# Altium PCB GPS_Traking_V1_1.PcbDoc (part 1 of 2) (continued)
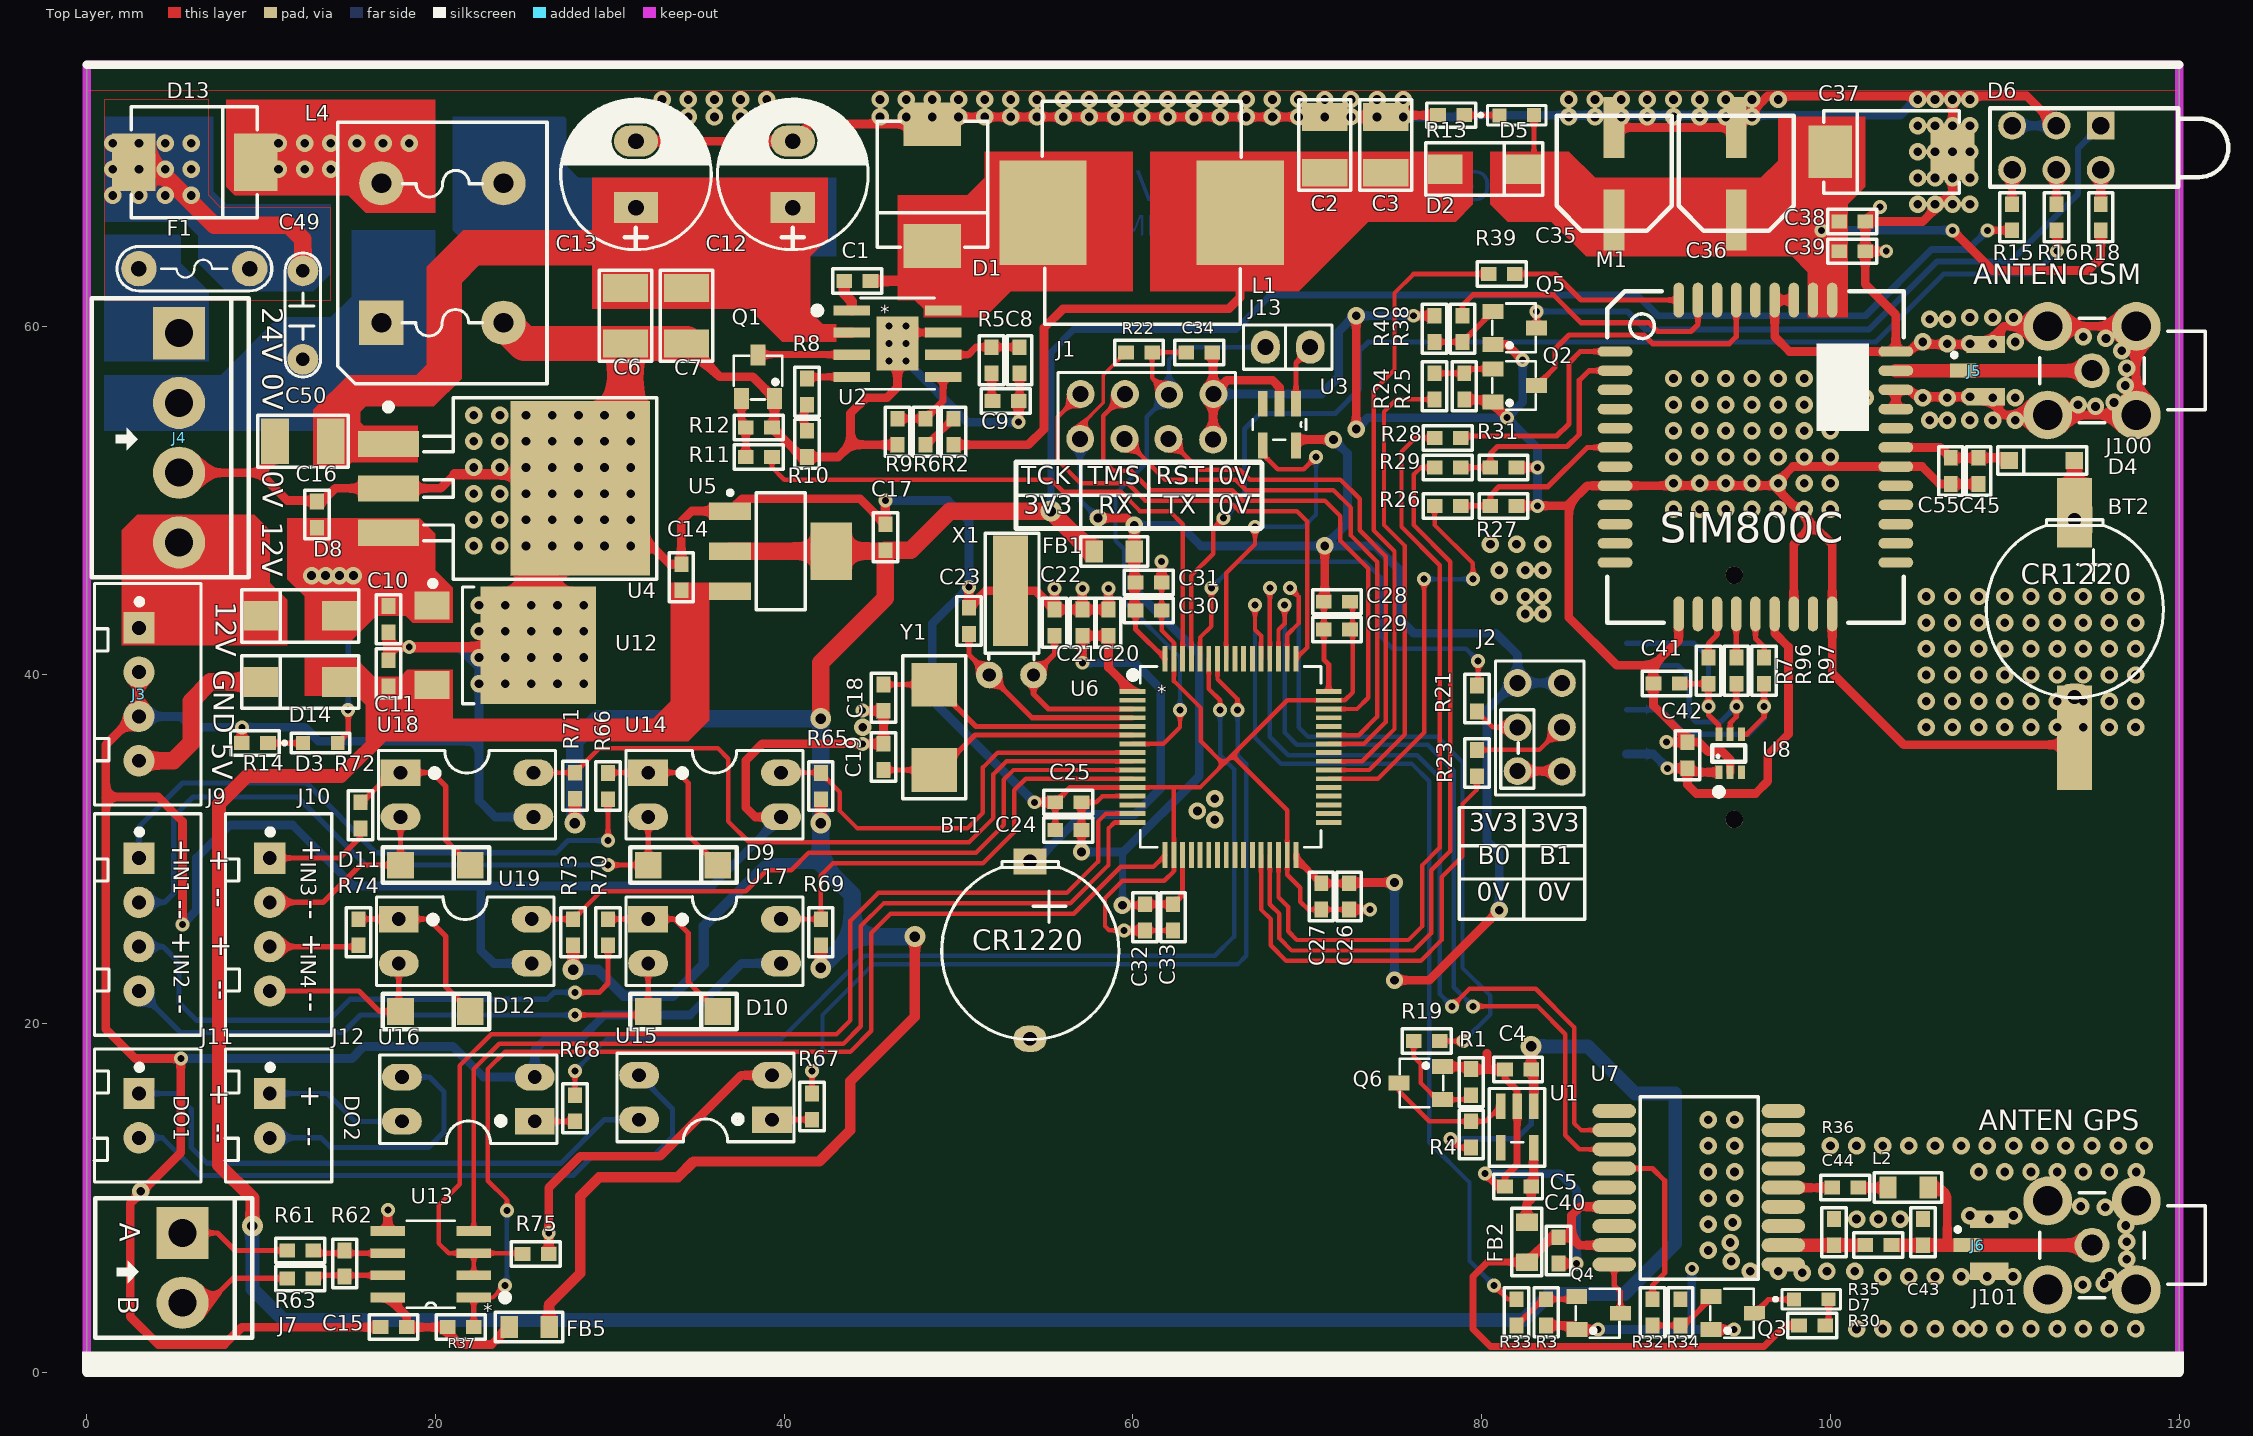
[diagram p0: Top Layer view]
## Components (designator, comment, footprint, x,y, rotation, side; value= is the part's Value field where it differs from the comment) (continued)
U3 "TPS3828" TPS3828 68.4,55.5 r270 top
U4 "LM7812SX/NOPB" TO-263-4 17.3,50.7 r180 top value=LM7805
U5 "TLV1117-33CDCYR" SOT223-4N 39.8,47.1 r0 top value=LM317
U6 "STM32F103RCT6" LQFP-64 65.6,35.3 r0 top
U7 "GPS L70" "GPS L70" 87.6,15 r0 top
U8 "SMF05C" SOT_363_6 93.6,36.6 r90 top
U12 "78M05" TO252-3L 24.1,41.7 r0 top value=LM7805
U13 "SN75176A" SN75176A 22.2,4.3 r180 top
U14 "PC817" DIP4/W0.3 32.2,34.4 r270 top
U15 "PC817" DIP4/W0.3 39.3,14.5 r90 top
U16 "PC817" DIP4/W0.3 25.7,14.4 r90 top
U17 "PC817" DIP4/W0.3 32.2,26 r270 top
U18 "PC817" DIP4/W0.3 18,34.4 r270 top
U19 "PC817" DIP4/W0.3 17.9,26 r270 top
X1 "32,768 Khz" XT32kn 54.3,40 r90 top value=32,768khz
Y1 "8MHz" ABM7_v1_1_BIG 48.6,37 r90 top

## Footprints (in the part's own frame and the unit in brackets; to place one, negate y for a bottom-side part, rotate by r counter-clockwise, add the part's x,y. Pads: shape width x height; smd on the part's side, far side on the other; paste and mask are expansions set on the pad)
ABM7_v1_1_BIG [mm]
  rect 2.5x2.6 smd: 1(-2.45,0) 2(2.45,0)
  silkscreen extent -4.1,-1.8 4.1,1.8, body extent -3.1,-1.85 3.1,1.85, height 1.45
Antenna-IPEX [mm] "Connector; RF Coaxial, MCB SM; 4 Position; Vertical, Body 3.1x3.0mm (LxW)"
  rect 0.8x1.5 smd: 1(0,-1.3)
  rect 1x2.2 smd: 2(-1.5,0) 2(1.5,0)
  silkscreen extent -1.02,-1.92 -0.78,-1.67, body extent -1.5,-1.55 1.5,1.55, height 1.25
Antenna-MCX5.08-H5 [mm] "Connector; RF Coaxial, MCX, Thru-Hole; 5 Position; Right Angle"
  round 2 hole 1.2: 1(0,0)
  round 2.8 hole 1.7: 2(-2.54,2.54) 2(-2.54,-2.54) 2(2.54,2.54) 2(2.54,-2.54)
  silkscreen extent -6.5,-3 3,3, body extent -11.6,-3.5 3.5,3.5, height 9.86
"C0603 SMT" [mm]
  rect 0.9x0.8 smd: 1(-0.75,0) 2(0.75,0)
  silkscreen extent -1.4,-0.7 1.4,0.7, body extent -0.8,-0.42 0.8,0.44, height 0.95
C0805 [mm]
  rect 1x1.27 smd: 1(0,0) 2(2.3,0)
  silkscreen extent -0.78,-0.85 3.08,0.85, body extent 0.14,-0.62 2.14,0.63, height 0.6
C_7343_40 [mm] "Cap Tantulum"
  rect 2.5x3 smd: 1(0,0) 2(7,0)
  silkscreen extent -0.38,-2.39 7.39,2.36, body extent -0.3,-2.3 7.3,2.3, height 4
C_Alu_6.3x7.7 [mm] "Cap Aluminum 100uF_35V"
  rect 1.2x3.5 smd: 1(0,0) 2(0,-5.3)
  silkscreen extent -3.3,-5.97 3.3,0.64, body extent -3.3,-6.17 3.3,0.83, height 3.91
CN2 [mil]
  round 70 hole 31: 1(0,0) 2(200,0)
  silkscreen extent -40,-40 240,40, body extent -54,-44 260,55, height 407
CON_2.54mm_2 [mm] "CON2"
  rect 1.8x1.8 hole 0.8: 1(0,0)
  round 1.8 hole 0.8: 2(2.54,0)
  silkscreen extent -2.54,-2.57 5.08,3.56, body extent -2.45,-2.2 5.05,3.55, height 7
CON_2.54mm_4 [mm] "CON4"
  rect 1.8x1.8 hole 0.8: 1(0,0)
  round 1.8 hole 0.8: 2(2.54,0) 3(5.08,0) 4(7.62,0)
  silkscreen extent -2.54,-2.54 10.16,3.56, body extent -2.4,-2.25 10,3.5, height 7
CP1.5/3.4 [mm] "Tu hoa 220->470uF,16V, 470uF/16V,25V"
  rect 1.778x2.54 hole 0.9: 1(0,0)
  oval 1.778x2.54 hole 0.9: 2(3.81,0)
  silkscreen extent -2.41,-4.32 6.22,4.32, body extent -2.16,-4 5.84,4, height 11.33
DDA8_3P1X2P4-M [mm]
  rect 2.083x0.584 smd: 1(-2.616,1.905) 2(-2.616,0.635) 3(-2.616,-0.635) 4(-2.616,-1.905) 5(2.616,-1.905) 6(2.616,-0.635) 7(2.616,0.635) 8(2.616,1.905)
  round 0.8 hole 0.4: 9(-0.5,-1) 9(-0.5,0) 9(-0.5,1) 9(0.5,-1) 9(0.5,0) 9(0.5,1)
  rect 2.4x3.1 smd: 9(0,0)
  silkscreen extent -2.12,-2.62 2.12,2.62, body extent -3.1,-2.49 3.1,2.49, height 1.68
DIP4/W0.3 [mil] "4 PIN, W 300mil, Pin to pin 100mil"
  rect 60x90 hole 31: 1(0,0)
  oval 60x90 hole 31: 2(100,0) 3(100,300) 4(0,300)
  silkscreen extent -50,-50 150,350, body extent -59,-10 159,305, height 170
"DO-214AB SMA" [mm] "Diode SS34, 1N4007-M7"
  rect 2x1.7 smd: 1(-0.092,0) 2(4.408,0)
  silkscreen extent -1.2,-1.5 5.5,1.51, body extent -0.37,-1.35 4.63,1.35, height 2.28
"DO-214AB SMC" [mm] "Diode 5A, SS54"
  rect 2.5x3.3 smd: 1(-0.092,0) 2(6.9,0)
  silkscreen extent -0.25,-3.17 6.98,3.18, body extent -0.7,-3.2 7.43,3.1, height 2.67
"DO-4148 SMD" [mil] "1N4148 SMD"
  rect 60x60 smd: 1(0,0) 2(157.48,0)
  silkscreen extent -40,-40 200,40, body extent 9,-28 147,30, height 56
FUSE2 [mil] "Fuse"
  round 80 hole 35: 1(0,0) 2(250,0)
  silkscreen extent -50,-50 300,50
"GPS L70" [mm]
  oval 2.5x0.8 smd: 1(0,0) 2(0,-1.1) 3(0,-2.2) 4(0,-3.3) 5(0,-4.4) 6(0,-5.5) 7(0,-6.6) 8(0,-7.7) 9(0,-8.8) 10(9.7,-8.8) 11(9.7,-7.7) 12(9.7,-6.6) 13(9.7,-5.5) 14(9.7,-4.4) 15(9.7,-3.3) 16(9.7,-2.2) 17(9.7,-1.1) 18(9.7,0)
  silkscreen extent 1.5,-9.65 8.25,0.8, body extent 0,-9.45 9.7,0.65, height 2.52
Hed2V_3.96 [mm]
  rect 3x3 hole 1.6 mask+0.102: 1(0,0)
  round 3 hole 1.6 mask+0.102: 2(4,0)
  silkscreen extent -2,-5 6,4, body extent -2,-4.67 5.92,4.93, height 13.9
Hed4V_3.96 [mm]
  rect 3x3 hole 1.6 mask+0.102: 1(0,0)
  round 3 hole 1.6 mask+0.102: 2(4,0) 3(8,0) 4(12,0)
  silkscreen extent -2,-5 14,4, body extent -1.93,-4.67 13.91,4.93, height 13.9
JP2 [mil]
  oval 65x75 hole 36: 1(0,0) 2(101,0)
  silkscreen extent -50,-50 150,50, body extent -48,-50 148,48, height 323
JP3x2 [mm] "Connector 3x2"
  round 1.6 hole 0.914: 1(-2.54,-1.27) 2(0,-1.27) 3(2.515,-1.27) 4(-2.54,1.27) 5(0,1.27) 6(2.54,1.27)
  silkscreen extent -3.81,-2.54 3.89,2.54, body extent -3.81,-2.54 3.81,2.54, height 8.52
JP4x2 [mil] "Connector 4x2"
  round 62.99 hole 36: 1(-150.5,-49.5) 2(-50.5,-49.5) 3(48.5,-49.5) 4(149.5,-51.5) 5(-149.5,51.5) 6(-49.5,51.5) 7(50,50) 8(150.5,51.5)
  silkscreen extent -200,-100 200,100, body extent -197,-100 203,100, height 335
"L01 SMD 12*12*6" [mm] "Chip Inductor, 12*12*6"
  rect 5x6 smd: 1(-5.65,0) 2(5.65,0)
  silkscreen extent -5.69,-6.4 5.71,6.4, body extent -6.9,-6.4 6.9,6.4, height 7.5
"L2 UF9.8" [mm] "Loc UF 9.8 10mH"
  rect 2.54x2.54 hole 1.143: 1(0,0)
  round 2.54 hole 1.143: 2(7,0) 3(7,8) 4(0,8)
  silkscreen extent -2.5,-3.5 9.5,11.5
"LED 3 holder 3mm" [mm]
  rect 1.6x1.6 hole 1: 1(0,0)
  round 1.6 hole 1: 2(0,2.54) 3(2.54,0) 4(2.54,2.54) 5(5.08,0) 6(5.08,2.54)
  silkscreen extent -7.32,-1 6.35,3.5, body extent -7.28,-0.9 3.72,3.42, height 9.65
Led_0603_Green [mm]
  rect 0.8x0.8 smd: 1(0,0) 2(1.991,0.013)
  silkscreen extent -0.69,-0.56 3.15,0.56, body extent 0.21,-0.4 1.83,0.4, height 1.1
Led_0603_RED [mm]
  rect 0.8x0.8 smd: 1(0,0) 2(1.991,0.013)
  silkscreen extent -0.69,-0.56 3.15,0.56, body extent 0.21,-0.4 1.83,0.4, height 1.1
Led_0603_Yellow [mm]
  rect 0.8x0.8 smd: 1(0,0) 2(1.991,0.013)
  silkscreen extent -0.69,-0.56 3.15,0.56, body extent 0.21,-0.4 1.83,0.4, height 1.1
LQFP-64 [mil]
  rect 58x11 smd: 1(-221.5,147.64) 2(-221.5,127.95) 3(-221.5,108.27) 4(-221.5,88.58) 5(-221.5,68.9) 6(-221.5,49.21) 7(-221.5,29.53) 8(-221.5,9.84) 9(-221.5,-9.84) 10(-221.5,-29.53) 11(-221.5,-49.21) 12(-221.5,-68.9) 13(-221.5,-88.58) 14(-221.5,-108.27) 15(-221.5,-127.95) 16(-221.5,-147.64) 33(221.5,-147.64) 34(221.5,-127.95) 35(221.5,-108.27) 36(221.5,-88.58) 37(221.5,-68.9) 38(221.5,-49.21) 39(221.5,-29.53) 40(221.5,-9.84) 41(221.5,9.84) 42(221.5,29.53) 43(221.5,49.21) 44(221.5,68.9) 45(221.5,88.58) 46(221.5,108.27) 47(221.5,127.95) 48(221.5,147.64)
  rect 11x58 smd: 17(-147.64,-221.5) 18(-127.95,-221.5) 19(-108.27,-221.5) 20(-88.58,-221.5) 21(-68.9,-221.5) 22(-49.21,-221.5) 23(-29.53,-221.5) 24(-9.84,-221.5) 25(9.84,-221.5) 26(29.53,-221.5) 27(49.21,-221.5) 28(68.9,-221.5) 29(88.58,-221.5) 30(108.27,-221.5) 31(127.95,-221.5) 32(147.64,-221.5) 49(147.64,221.5) 50(127.95,221.5) 51(108.27,221.5) 52(88.58,221.5) 53(68.9,221.5) 54(49.21,221.5) 55(29.53,221.5) 56(9.84,221.5) 57(-9.84,221.5) 58(-29.53,221.5) 59(-49.21,221.5) 60(-68.9,221.5) 61(-88.58,221.5) 62(-108.27,221.5) 63(-127.95,221.5) 64(-147.64,221.5)
  silkscreen extent -204,-204 204,204, body extent -236,-236 236,236, height 63
PIN3V_mini#1 [mm] "Socket PIN 3V"
  rect 1.5x1.9 hole 0.787: 1(0,0)
  oval 1.5x1.9 hole 0.787: 2(10.16,0)
  silkscreen extent 0,-5.06 10.21,5.1
PIN3V_mini#2 [mm] "Socket PIN 3V"
  rect 1.524x2.032 hole 0.787: 1(0,0)
  oval 1.524x2.032 hole 0.787: 2(10.16,0)
  silkscreen extent 0,-5.06 10.21,5.1
"R0603 -SMT" [mm]
  rect 0.9x0.8 smd: 1(-0.8,0) 2(0.7,0)
  silkscreen extent -1.45,-0.7 1.35,0.7, body extent -0.85,-0.4 0.85,0.4, height 0.56
R0805 [mm]
  rect 1x1.27 smd: 1(-1.125,-0.011) 2(1.175,-0.011)
  silkscreen extent -1.91,-0.86 1.96,0.84, body extent -1.1,-0.69 1.2,0.66, height 0.76
SIM800C [mm]
  oval 2x0.6 smd: 1(-8.05,6.05) 2(-8.05,4.95) 3(-8.05,3.85) 4(-8.05,2.75) 5(-8.05,1.65) 6(-8.05,0.55) 7(-8.05,-0.55) 8(-8.05,-1.65) 9(-8.05,-2.75) 10(-8.05,-3.85) 11(-8.05,-4.95) 12(-8.05,-6.05) 22(8.05,-6.05) 23(8.05,-4.95) 24(8.05,-3.85) 25(8.05,-2.75) 26(8.05,-1.65) 27(8.05,-0.55) 28(8.05,0.55) 29(8.05,1.65) 30(8.05,2.75) 31(8.05,3.85) 32(8.05,4.95) 33(8.05,6.05)
  oval 0.6x2 smd: 13(-4.4,-9) 14(-3.3,-9) 15(-2.2,-9) 16(-1.1,-9) 17(0,-9) 18(1.1,-9) 19(2.2,-9) 20(3.3,-9) 21(4.4,-9) 34(4.4,9) 35(3.3,9) 36(2.2,9) 37(1.1,9) 38(0,9) 39(-1.1,9) 40(-2.2,9) 41(-3.3,9) 42(-4.4,9)
  silkscreen extent -8.5,-9.5 8.5,9.5, body extent -7.85,-8.8 7.85,8.8, height 1.9
"Sim Push Push" [mm] "ASMFS180B10BR008 - FMS006-2620-0"
  round 1 hole 1: 0(-2.48,6.18) 0(11.52,6.18)
  rect 0.8x2.3 smd: 1(0,0) 2(1.27,0) 3(2.54,0) 4(3.81,0) 5(5.08,0) 6(6.35,0) 7(7.62,0)
  rect 2x3.5 smd: 8(-5.52,21.93) 8(14.73,21.93)
  silkscreen extent -5.5,0 14.8,27.6, body extent -5.68,0.06 14.52,27.91, height 1.95
SM-1210 [mm] "Chip Capacitor, 2-Leads, Body 3.20x2.50mm"
  rect 1.6x2.6 smd: 1(0,0) 2(3.2,0)
  silkscreen extent -1,-1.5 4.2,1.5, body extent 0,-1.25 3.2,1.25, height 2.5
SN75176A [mil]
  rect 78x22 smd: 1(0,0) 2(0,-50) 3(0,-100) 4(0,-150) 5(194,-150) 6(194,-100) 7(194,-50) 8(194,0)
  silkscreen extent 43,-174 151,24, body extent -18,-170 218,22, height 65
SOD123 [mm] "1N5819 SOD123"
  rect 1x1 smd: 1(-0.092,0) 2(3.65,0)
  silkscreen extent -0.8,-0.8 4.3,0.8, body extent -0.05,-0.8 3.65,0.8, height 1.27
SOT23B [mm] "SOT 23B"
  rect 0.85x1.2 smd: 1(0.94,-1.245) 2(0,1.25) 3(-0.95,-1.25)
  silkscreen extent -1.4,-1.3 1.4,1.2, body extent -1.5,-1.3 1.5,1.2, height 1.06
SOT223-4N [mm] "SOT223, 4-Leads, Body 6.5x3.5mm, Pitch 2.3mm, Lead Span 7mm, IPC Medium Density"
  rect 2.4x1 smd: 1(-2.9,2.3) 2(-2.9,0) 3(-2.9,-2.3)
  rect 2.4x3.3 smd: 4(2.9,0)
  silkscreen extent -3.02,-3.35 1.4,3.47, body extent -3.39,-3.27 3.5,3.23, height 1.72
SOT_363_6 [mm]
  rect 0.8x0.4 smd: 1(-2.179,0) 2(-2.179,-0.65) 3(-2.179,-1.3) 4(0,-1.3) 5(0,-0.65) 6(0,0)
  silkscreen extent -1.57,-1.52 -0.63,0.38, body extent -2.29,-1.76 0.11,0.44, height 1.1
TLV70233_3.3V [mil]
  rect 58x22 smd: 1(0,0) 2(0,-37.4) 3(0,-74.8) 4(94,-74.8) 5(94,0)
  silkscreen extent -40,-100 135,25, body extent -10,-95 102,20, height 41
TO252-3L [mm] "D-PAK, 4-Leads, Body 6.1x6.5mm, Pitch 2.28mm, Lead Span 9.7mm, IPC High Density"
  rect 2x1.6 smd: 1(-4.3,2.28) 3(-4.3,-2.28)
  rect 6.6x6.75 smd: 2(1.8,0)
  silkscreen extent -4.37,-3.35 -1.9,3.67, body extent -4.91,-3.27 5.03,3.27, height 2.34
TO-263-4 [mm] "LM7812, LM7805"
  rect 3.5x1.5 smd: 1(0,-2.54) 2(0,0) 3(0,2.54)
  rect 8x10 smd: 4(-11,0)
  silkscreen extent -15.4,-5.2 0.12,5.2, body extent -13.97,-5 1.7,5, height 4.78
TPS3828 [mil]
  rect 58x22 smd: 1(-2,37.4) 2(-2,0) 3(-2,-37.4) 4(92,-37.4) 5(92,37.4)
  silkscreen extent 33,-60 80,60, body extent -16,-58 96,57, height 50
XT32kn [mil] "Crystal for 32,768kHz, 2pin"
  round 60 hole 30: 1(0,0) 2(0,100)
  rect 250x80 smd: 3(190,52)
  silkscreen extent 34,-12 320,109, body extent -10,5 319,95, height 77

## Part data
BT1 BT2: "Battery 3VDC"
C1 C4 C5 C8 C9 C10 C11 C14 C15 C16 C17 C18 C19 C20 C21 C22 C23 C24 C25 C26 C27 C28 C29 C30 C31 C32 C33 C34 C38 C39 C40 C41 C42 C43 C44 C45 C55: library part CM, "Cap SMD"
C2: library part CM, "CAP CER 47UF 10V X5R 1210"
C3: library part CM, "CAP CER 47UF 10V X5R 1210 1276-3380-2-ND"
C6 C7 C50: library part CM, "CAP CER 2.2UF 100V X7R 1210  445-4498-2-ND"
C12 C13: library part CP4, "Cap 1000uF/16V - 220uF/50V", Description 1="2200uF-3300uF/6,3V - 1000uF-2200uF/10V", Description 2="1000uF/16V - 470uF => 1000uF/25V - 100uF/100V", Description 3=330uF>470uF/35V_220uF>470uF/50V_10uF>22uF/250V, Description 4="220uF => 330uF/63V - 10uF =>33uF/160 - 200V", Description 5="4,7uF>10uF/250V_3,3uF>10uF/400V - 2,2uF>4,7uF/450V"
C35 C36: library part C-Alu-Tantalum, "Cap Aluminum", Description 1="10 => 220uF/6,3V/10V - 10uF => 100uF/16V", Description 2="0,1uF => 33uF/50V - 10uF => 22uF/63V", Description 3="0,47uF => 10uF/100V"
C37: library part C-Alu-Tantalum, "Cap Tantalum 7343", Description 1="10 => 220uF/6,3V/10V - 10uF => 100uF/16V", Description 2="0,1uF => 33uF/50V - 10uF => 22uF/63V", Description 3="0,47uF => 10uF/100V"
C49: library part CN, Designed by=VanDungEvn
D1 D13: library part D5A, "DIODE SCHOTTKY 60V 5A SMC"
D2: library part D1A, "DIODE SCHOTTKY 40V 3A SMC"
D3 D5 D7: library part LED, "LED Single colour Green and Red"
D4 D8 D9 D10 D11 D12 D14: library part D1A, "Diode 1A"
D6: library part LED3Holder_3, "LED 3 holder RGB 3mm"
F1: library part Fuse, "PTC RESET FUSE 60V 3A RADIAL", Designed by=VanDungEvn
FB1 FB2 FB5: library part "Ferrite Bead", "Ferrite Bead"
J1: library part JP4x2, "Connector 4x2"
J2: library part JP3x2, "Connector 3x2"
J3 J9 J10: library part Con4, "Connector 4"
J4: library part Hed4, "Header 4 (Green)"
J5 J6 J100 J101: library part ANTEN
J7: library part Hed2, "Header 2 (Green)"
J11 J12: library part Con2, "Connector 2"
J13: library part "JP 2", "Jumper 2"
L1: library part L1, "FIXED IND 6.2UH 5.7A 22.4 MOHM"
L2: library part L1, "Inductor"
L4: library part L2x220, "Inductor", Designed by=VanDungEvn
Q1 Q2 Q3 Q4 Q5 Q6: "NPN 600mW, ECB", =C2383
R1 R2 R3 R4 R5 R6 R7 R8 R9 R10 R11 R12 R13 R14 R15 R16 R18 R19 R21 R22 R23 R24 R25 R26 R27 R28 R29 R30 R31 R32 R33 R34 R35 R36 R37 R38 R39 R40 R61 R62 R63 R65 R66 R67 R68 R69 R70 R71 R72 R73 R74 R75 R96 R97: library part RM, "Resistor SMD"
S1: library part "SIM SOCKET PUSH PULL"
U1: library part TLV70233_3.3V
U2: "REG BUCK SPLIT RAIL 8SOPWRPAD", Built_By=EMA_UL_Team, C="Copyright (C) 2015 Accelerated Designs. All rights reserved", Manufacturer_Part_Number=TPS54360DDA, Vendor="TEXAS INSTRUMENTS"
U4: library part LM78xx, =LM7808
U5: library part LM1117, "3v3"
U6: "MCU 32BIT 256KB FLASH 64LQFP"
U8: "ESD Protection"
U12: library part LM78xx, "On ap +, from + 5 to + 24VDC", =LM7808
U14 U15 U16 U17 U18 U19: "Single Opto"
X1: library part XT32k, "Crystal 32,768kHz for timer real"
Y1: library part ABM7-16.000MHZ-D2Y-T, "CRYSTAL 16MHZ 18PF SMD", ESR (Equivalent Series Resistance)="50 Ohm", Frequency=16MHz, Frequency Stability=±30ppm, Frequency Tolerance=±20ppm, Load Capacitance=18pF, Manufacturer="Abracon LLC", Operating Mode=Fundamental, Operating Temperature="-40°C ~ 85°C", Package / Case=2-SMD, Ratings=-, Supplier Part Number 1=535-9840-1-ND, .Checked PCB=RF, .Checked SCH=RF, .Creator=MM, Category="Crystals and Oscillators", ComponentLink1Description=http://www.abracon.com/Resonators/abm7.pdf, ComponentLink1URL=http://www.abracon.com/Resonators/abm7.pdf, Height="0.055\" (1.40mm)", Manufacturer Part Number=ABM7-16.000MHZ-D2Y-T, Mounting Type="Surface Mount", Packaging="Cut Tape (CT)", Pricing 1="1=0.96, 10=0.847, 50=0.791, 100=0.7, 500=0.6615 (USD)", RoHS="RoHS Compliant", Size / Dimension="0.236\" L x 0.138\" W (6.00mm x 3.50mm)", Stock 1=5861, Supplier 1=Digi-Key, Type="MHz Crystal"

## Free pads (board coordinates)
  rect 2x6 smd: 2(114,36.4)
  rect 2x4 smd: 2(114,49.3)

## Via types
v1: diameter 1, hole 0.5, Top Layer to Bottom Layer, tented both sides, 407 vias
v2: diameter 0.8, hole 0.4, Top Layer to Bottom Layer, tented both sides, 70 vias
v3: diameter 1.2, hole 0.6, Top Layer to Bottom Layer, tented both sides, 9 vias

## Nets (pads, with @x,y where several pads share a name; then routed paths per layer and width w, separated by ;. In a path a pad name is that pad's centre, name@x,y a point inside that pad or via, vN(x,y) a via of type N, cw(c..) or ccw(c..) an arc to the next point about the centre after c; other vN are vias at no path point)
+3V3: C17.2 FB1.1 FB5.1 R15.2 R65.2 R69.2 R71.2 R73.2 U5.2 U5.4 | length 203.5
  Top Layer w0.4: v2(109,65.5) R15.2@110.42,65.5
  Top Layer w0.5: v3(42.1,31.5) R65.2@42.1,32.88
  Top Layer w0.6: FB5.1@26.525,2.611 26.525,3.925 28.3,5.7 28.3,10.1 29.4,11.2 33.9,11.2 34.8,12.1 42,12.1 43.8,13.9 43.8,16.7 47.5,20.4 v3(47.5,25) ; v3(27.9,23.1) R73.2@27.9,24.5 ; v3(28,31.5) R71.2@28,32.9 ; v3(42.1,23.2) R69.2@42.1,24.5
  Top Layer w1: U5.2@36.9,47.1 U5.4@42.7,47.1 C17.2@45.8,47.1 ; v3(42.1,37.5) 42.1,40.7 45.8,44.4 C17.2@45.8,47.1 ; FB1.1@57.775,47.089 57.611,47.089 v3(55.3,49.4) 49.5,49.4 47.25,47.15 C17.2@45.8,47.15 C17.2@45.8,47.1
  Bottom Layer w0.4: v3(55.3,49.4) 55.3,58.5 56.6,59.8 65.9,59.8 67.9,61.8 88.9,61.8 90.1,60.6 102,60.6 105.8,64.4 107.9,64.4 v2(109,65.5)
  Bottom Layer w0.6: v3(27.9,23.1) 29.3,23.1 30.8,21.6 33.6,21.6 35.4,23.4 35.4,25.6 39,29.2 42.1,29.2
  Bottom Layer w1: v3(28,31.5) 28,36.2 29.3,37.5 v3(42.1,37.5) v3(42.1,31.5) 42.1,29.2 43.9,27.4 43.9,25 ; v3(42.1,23.2) 43.9,25 ; v3(47.5,25) 43.9,25
+3V3_485: C15.2 FB5.2 R37.2 U13.8 | length 8.9
  Top Layer w0.5: U13.8@17.272,4.3 18.35,3.222 C15.2@18.35,2.6 20.4,2.6 21.4,1.6 23.214,1.6 FB5.2@24.225,2.611
+3V3_GPS: C5.2 FB2.1 U1.5 U6.27 | length 4.4
  Top Layer w0.5: FB2.1@82.589,8.625 82.589,9.689 82.838,9.938 C5.2@82.838,10.67 82.988,10.82 U1.5@82.988,12.883
+3V3_MCU: C24.2 C25.2 C26.2 C27.2 C28.2 C29.2 C30.2 C31.2 C32.2 C33.2 FB1.2 J1.1 J2.1 J2.4 R22.2 U3.5 U6.13 U6.19 U6.32 U6.48 U6.64 | length 143.3
  Top Layer w0.2: J1.1@56.977,53.543 56.977,54.277 58.3,55.6 58.3,57.2 R22.2@59.6,58.5
  Top Layer w0.254: C25.2@57.05,32.7 57.9,32.7 58.25,33.05 U6.13@59.974,33.05
  Top Layer w0.3: C30.2@60.15,43.7 60.15,42.626 U6.64@61.85,40.926 ; C33.2@62.3,26.85 62.85,27.4 U6.19@62.85,29.674 ; C28.2@70.95,44.2 C29.2@70.95,42.6 70.95,40.876 71.226,40.6 U6.48@71.226,39.05
  Top Layer w0.381: v1(57.05,29.85) C24.2@57.05,31.1 C25.2@57.05,32.7 ; v1(59.4,26.8) 60.65,26.8 C32.2@60.7,26.85 C33.2@62.3,26.85 ; U6.32@69.38,29.674 69.38,29.47 C27.2@70.8,28.05 C26.2@72.4,28.05
  Top Layer w0.5: v1(58,49) 59.651,49 v1(60.075,48.575) FB1.2@60.075,47.089 60.075,43.775 C30.2@60.15,43.7 ; U3.5@69.4,53.5 v1(71.5,53.5) ; C28.2@70.95,44.2 71,44.25 v1(71,47.4) ; C26.2@72.4,28.05 72.45,28.1 v1(75,28.1) ; v1(75,22.5) 77,22.5 v1(81,26.5)
  Bottom Layer w0.3: J1.1@56.977,53.543 56.977,50.023 v1(58,49)
  Bottom Layer w0.381: v1(59.4,26.8) 59.4,29.8
  Bottom Layer w0.5: v1(57.05,29.85) 59.45,29.85 63.8,34.2 63.8,41.2 60.075,44.925 v1(60.075,48.575) 62.725,48.575 63.9,47.4 v1(71,47.4) ; v1(71.5,53.5) 72.3,52.7 72.3,48.7 v1(71,47.4) ; v1(75,22.5) v1(75,28.1) ; v1(81,26.5) 81,29.8 80.3,30.5 80.3,38 81.84,39.54 J2.1@82.06,39.54 ; J2.4@84.6,39.54 J2.1@82.06,39.54 ; v1(71,47.4) 73.9,47.4 75.3,46 75.3,43.2 76.1,42.4 80.8,42.4 82.06,41.14 J2.1@82.06,39.54
+4V2: C2.2 C3.2 D2.1 L1.2 R2.2 | length 41
  Top Layer w0.508: R2.2@49.7,53.2 54,53.2 54.9,54.1 54.9,59.9 56,61 65.5,61 66.15,61.65 L1.2@66.15,66.5
  Top Layer w1: L1.2@66.15,66.5 68.7,66.5 C2.2@71,68.8 C3.2@74.5,68.8 77.708,68.8 D2.1@77.908,69
+4V_GSM: C35.1 C36.1 C37.1 C38.1 C39.1 D2.2 D5.1 M1.34 M1.35 R18.2 | length 51.8
  Top Layer w0.3: D2.2@83,69.3 D5.1@83,72.1
  Top Layer w0.5: M1.35@99,61.5 M1.34@100.1,61.5 ; v2(107,65.5) 109.3,63.2 114.8,63.2 115.5,63.9 R18.2@115.5,65.5
  Top Layer w1: D2.2@82.408,69 83.3,69 86.3,66 96,66 C37.1@100,70 100.1,69.9 M1.34@100.1,61.5
  Bottom Layer w0.5: v2(99.5,65.5) v2(107,65.5)
+5V: C4.2 C11.2 C14.2 D14.1 R4.2 U1.1 U5.3 U12.3 | length 191.5
  Top Layer w0.3: v2(78.2,13.4) 78.7,12.9 R4.2@79.4,12.9
  Top Layer w0.5: C4.2@82.838,17.37 v3(82.838,18.7) ; U1.1@82.988,15.27 C4.2@82.988,17.22
  Top Layer w0.6: C14.2@34.1,44.85 U5.3@36.85,44.85
  Top Layer w0.8: v3(9.5,8.4) 9.5,10 7.6,11.9 7.6,32.6 9.2,34.2 14.6,34.2 17.3,36.9 C11.2@17.3,39.35 ; D14.1@14.592,40.1 15.342,39.35 C11.2@17.3,39.35 ; 17.3,37 33.6,37 34.1,37.5 C14.2@34.1,44.85 ; U12.3@19.8,39.42 17.37,39.42 C11.2@17.3,39.35
  Bottom Layer w0.3: v2(78.2,13.4) 82,13.4 82.838,14.238 v3(82.838,18.7)
  Bottom Layer w0.8: v3(9.5,8.4) 9.5,4.8 11.3,3 82.4,3 83.9,4.5 88.2,4.5 91.1,7.4 91.1,16 88.8,16 86.1,18.7 v3(82.838,18.7)
+5V_OUTPUT: D14.2 J3.4 | length 10.3
  Top Layer w0.254: D14.2@9.8,39.6 D14.2@9.992,39.6
  Top Layer w1: J3.4@3,35.08 4.98,35.08 6,36.1 6,38.5 7.1,39.6 D14.2@9.8,39.6
+12V: C10.2 C16.2 D3.1 D8.1 U4.3 U12.1 | length 24
  Top Layer w0.3: D3.1@14.4,36.1 15,36.7 v2(15,38)
  Top Layer w0.6: v1@14.55,45.75 13.2,47.1 13.2,48.15 13.21,48.16 U4.3@17.3,48.16 ; D8.1@14.592,43.5 v1@14.592,45.7 ; D8.1@15.042,43.95 C10.2@17.3,43.95 U12.1@19.77,43.95
  Bottom Layer w0.3: v1(14.5,45.7) 14.5,43.3 15,42.8 v2(15,38)
  other v1: 12.9,45.7 13.7,45.7 15.3,45.7
+12V_OUTPUT: D8.2 J3.1 J4.4 | length 11.8
  Top Layer w1: J3.1@3,42.7 5.2,42.7 6,43.5 ; J4.4@5.3,47.6 5.3,44.2 6,43.5 ; D8.2@10.092,43.5 6,43.5
+VCC_GPS: C40.2 FB2.2 R30.2 U7.6 U7.8 | length 35.7
  Top Layer w0.4: FB2.2@82.589,6.325 80.325,6.325 79.5,5.5 79.5,2.5 80.5,1.5 96.2,1.5 97.4,2.7 R30.2@98.2,2.7
  Top Layer w0.5: FB2.2@82.589,6.325 84.015,7.75 C40.2@84.4,7.75 85.15,7.75 ; U7.8@87.6,7.3 85.6,7.3 85.15,7.75 ; U7.6@87.6,9.5 85.65,9.5 85.15,9 85.15,7.75
+VDC_INPUT: F1.1 J4.1 U6.25 | length 4.7
  Bottom Layer w1: F1.1@3,63.3 3,61.9 J4.1@5.3,59.6
+VIN: C6.2 C7.2 C12.1 C13.1 C50.2 L4.3 U2.2 U4.1 | length 67.8
  Top Layer w0.6: 41.565,59.635 U2.2@43.884,59.635
  Top Layer w1: U4.1@17.3,53.24 14.96,53.24 ; 41.565,59.635 39,62.2 C7.2@34.4,62.2 31.5,62.2 C13.1@31.5,66.8 29.4,64.7 22.1,64.7 20.5,63.1 20.5,57.5 19.2,56.2 14.9,56.2 14,55.3 C50.2@14,54.2 ; C50.2@14,54.2 14.96,53.24 ; C50.2@14,54.2 C50.2@14,53.4 14.16,53.24 14.96,53.24
  Bottom Layer w2: 24,69.5 26.7,66.8 C13.1@31.5,66.8 C12.1@40.5,66.8
A: J7.1 R61.1 | length 6.4
  Top Layer w0.3: J7.1@5.5,8 7.5,8 8.5,7 R61.1@11.5,7
B: J7.2 R63.1 | length 6.6
  Top Layer w0.3: J7.2@5.5,4 7,4 8.4,5.4 R63.1@11.5,5.4
DATA_IN1+: J9.1 R66.1 | length 34.1
  Top Layer w0.3: v2(29.9,30.5) R66.1@29.9,32.88
  Bottom Layer w0.3: J9.1@3,29.5 3,31.3 5.5,33.8 12.6,33.8 16.6,29.8 26.9,29.8 27.6,30.5 v2(29.9,30.5)
DATA_IN1-: D9.1 J9.2 U14.2 | length 38.7
  Top Layer w0.3: v2(29.9,29.1) D9.1@32.2,29.1 U14.2@32.2,31.86
  Bottom Layer w0.3: J9.2@3,26.96 4.46,26.96 5,27.5 5,31.9 6.1,33 12.1,33 16,29.1 v2(29.9,29.1)
DATA_IN2+: J9.3 R70.1 | length 33.1
  Top Layer w0.3: v2(28,21.8) 29.4,21.8 29.9,22.3 R70.1@29.9,24.5
  Bottom Layer w0.3: J9.3@3,24.42 4.38,24.42 5.3,23.5 5.3,21.2 6.3,20.2 13.9,20.2 15.1,21.4 26.4,21.4 26.8,21.8 v2(28,21.8)
DATA_IN2-: D10.1 J9.4 U17.2 | length 33.4
  Top Layer w0.3: v2(28,20.5) 32,20.5 D10.1@32.2,20.7 U17.2@32.2,23.46
  Bottom Layer w0.3: J9.4@3,21.88 5.38,19.5 14.7,19.5 15.7,20.5 v2(28,20.5)
DATA_IN3+: J10.1 R72.1 | length 6.2
  Top Layer w0.3: J10.1@10.5,29.5 14.5,29.5 15.7,30.7 R72.1@15.7,31.2
DATA_IN3-: D11.1 J10.2 U6.33 U18.2 | length 11.1
  Top Layer w0.3: J10.2@10.5,26.96 13.56,26.96 15.7,29.1 D11.1@18,29.1 U18.2@18,31.86
DATA_IN4+: J10.3 R74.1 | length 5.1
  Top Layer w0.3: J10.3@10.5,24.42 15.58,24.42 R74.1@15.6,24.4
DATA_IN4-: D12.1 J10.4 U19.2 | length 9.7
  Top Layer w0.3: 11.42,21.88 15.62,21.88 16.8,20.7 D12.1@18,20.7 ; D12.1@17.9,20.8 U19.2@17.9,23.46
FEEDBACK_4V: R6.1 R9.2 U2.5 | length 4.4
  Top Layer w0.4: R9.2@46.5,54.7 R6.1@48.1,54.7 49.116,55.716 U2.5@49.116,57.095